# Altium PCB spd150.PcbDoc (part 8 of 16)
Units mm, origin at the board's own origin, x right, y up, seen from the top; angles counter-clockwise.
Board outline 217.35 x 147.5 mm, 10 copper layers (TOP, LYR2-PLN, LYR3-SIG, LYR4-SIG, LYR5-PLN, LYR6-PLN, LYR7-SIG, LYR8-SIG, LYR9-PLN, BOTTOM), stack 2.134 mm thick; 1065 components, 972 nets, 4226 pads, 2810 vias.
Unrouted connection lines stored in the file: 16.
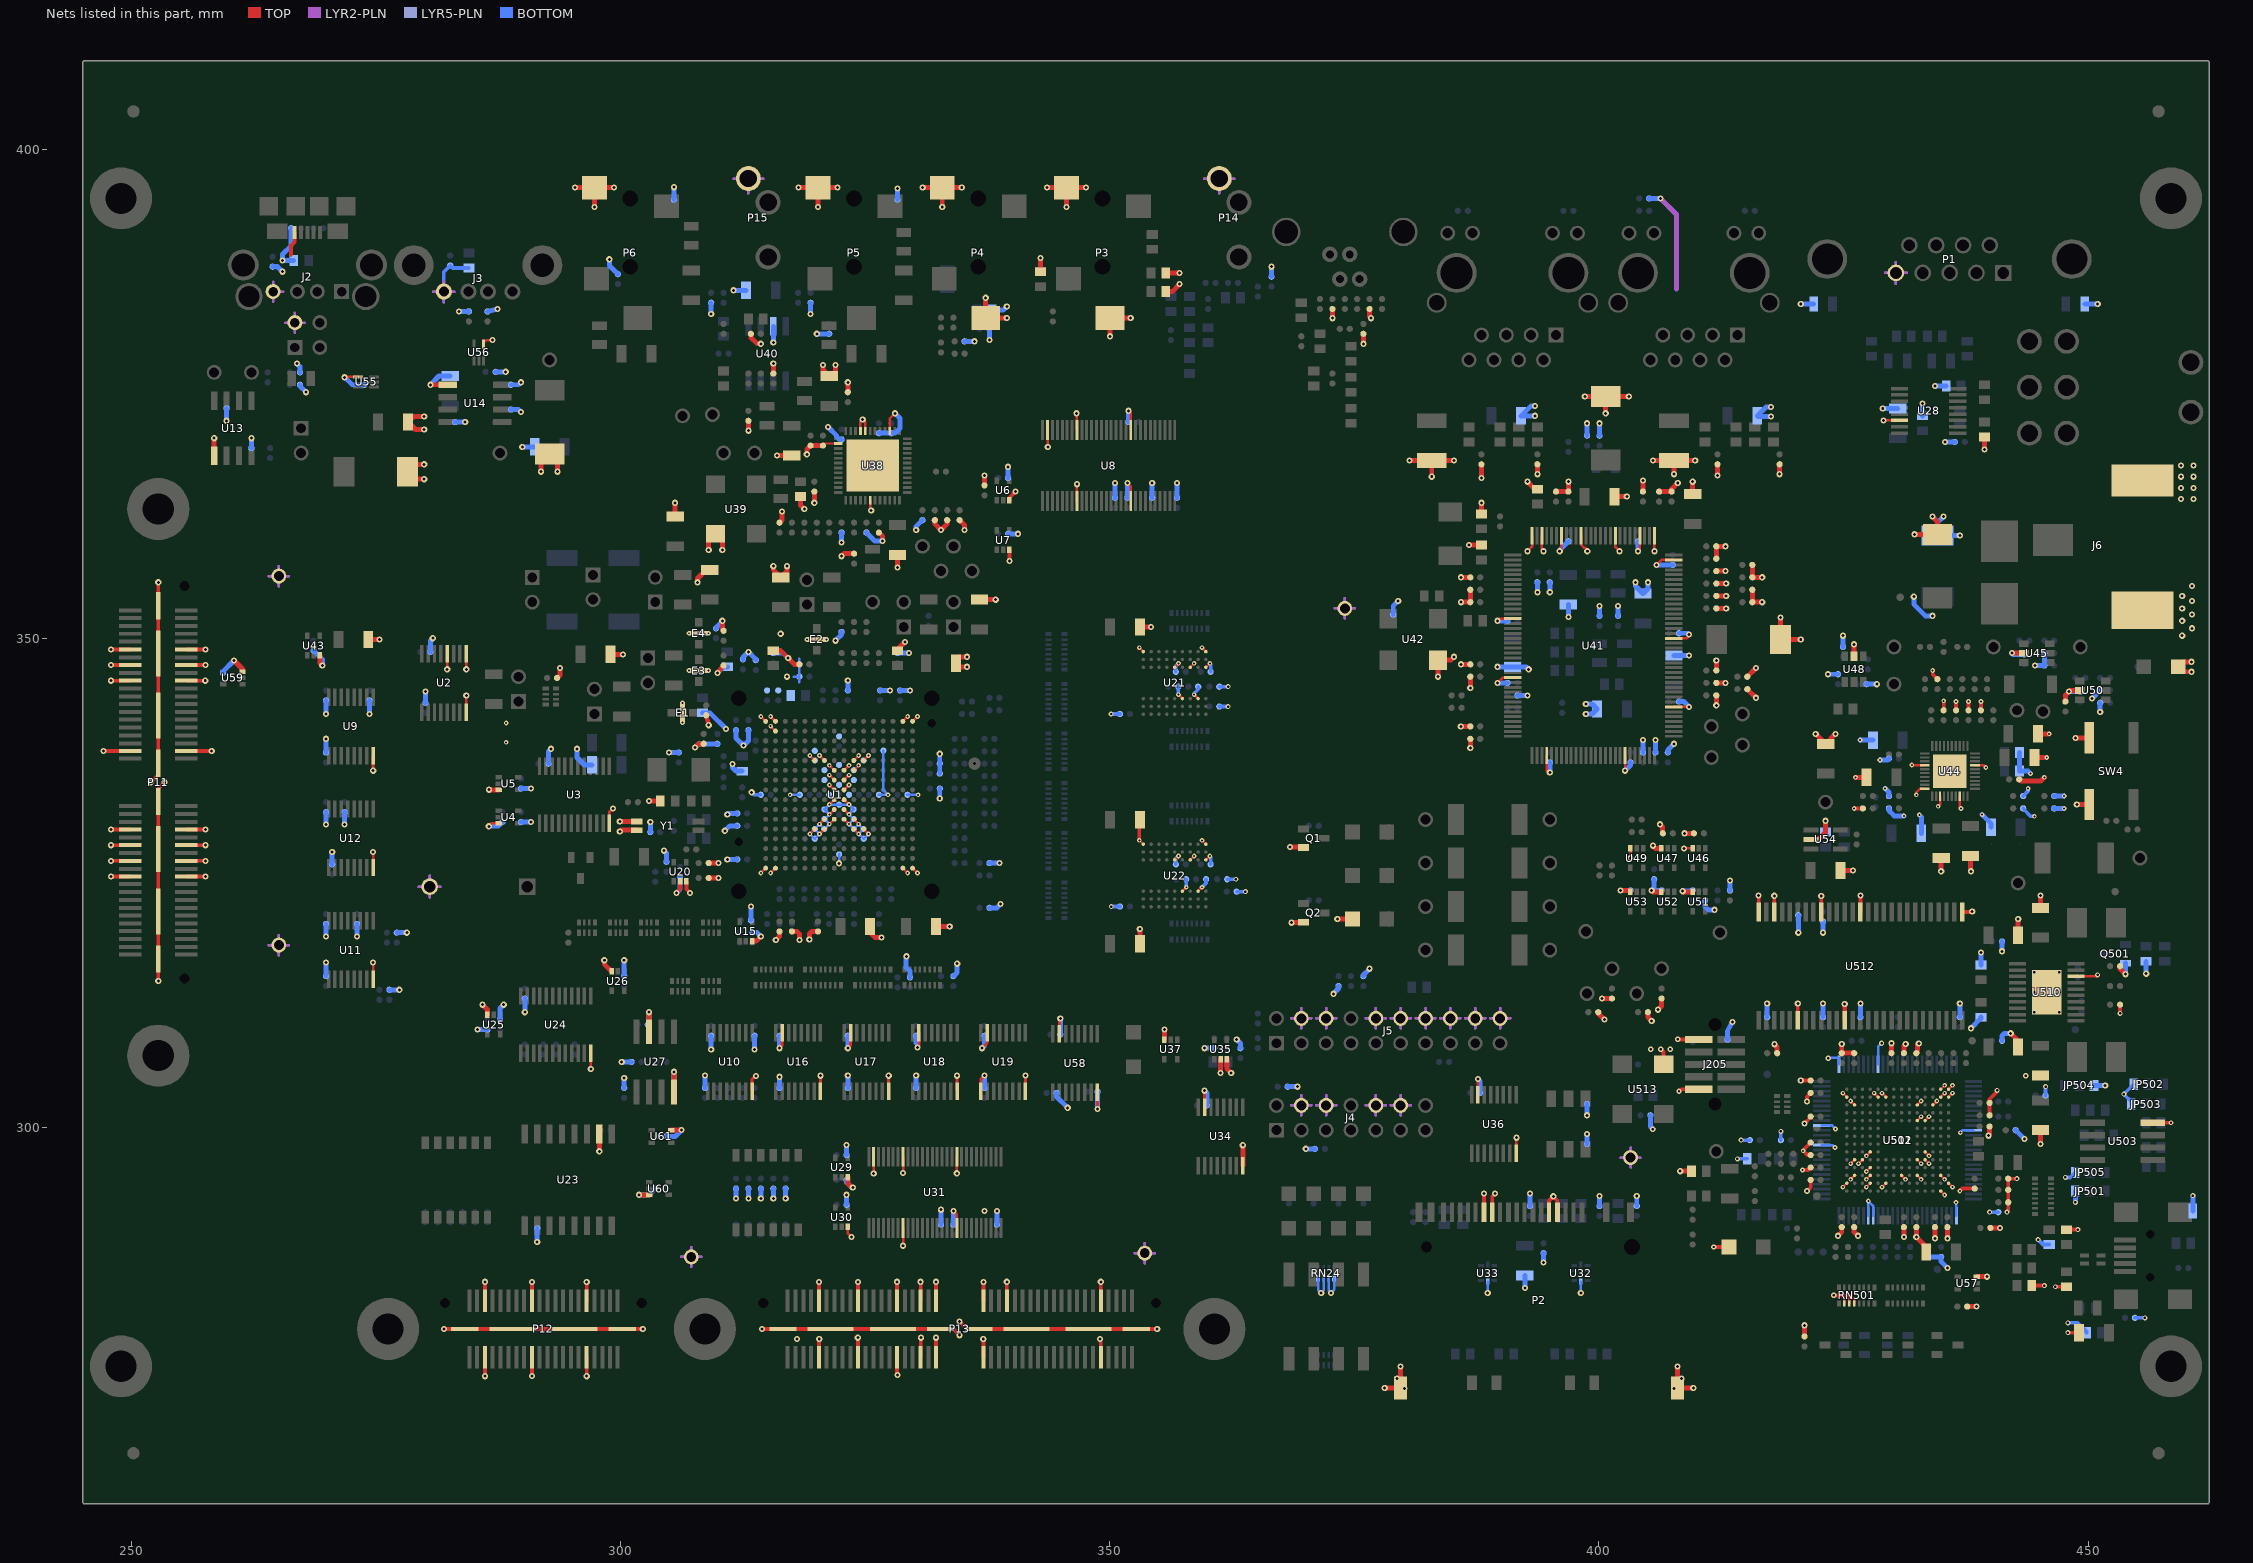
[diagram p16: the nets of this part, all layers, seen from the top]

## Via types
v1: diameter 0.635, hole 0.305, TOP to BOTTOM, 2018 vias
v2: diameter 0.483, hole 0.203, TOP to BOTTOM, 651 vias
v3: diameter 0.508, hole 0.254, TOP to BOTTOM, 120 vias
v4: diameter 0.559, hole 0.254, TOP to BOTTOM, 21 vias

## Nets (pads, with @x,y where several pads share a name; then routed paths per layer and width w, separated by ;. In a path a pad name is that pad's centre, name@x,y a point inside that pad or via, vN(x,y) a via of type N, cw(c..) or ccw(c..) an arc to the next point about the centre after c; other vN are vias at no path point) (continued)
GND: C1.2 C2.2 C3.2 C4.2 C5.2 C6.2 C7.2 C8.2 C9.2 C10.2 C11.2 C12.2 C13.2 C14.2 C15.2 C16.2 C17.2 C18.2 C19.2 C20.2 C21.2 C22.2 C23.2 C24.2 C25.2 C26.2 C27.2 C28.2 C29.2 C30.2 C31.2 C32.2 C33.2 C34.2 C35.2 C36.2 C37.2 C38.2 C39.2 C40.2 C41.2 C42.2 C43.2 C44.2 C45.2 C50.2 C51.2 C52.2 C53.2 C54.2 C55.2 C57.2 C58.2 C59.1 C60.1 C61.1 C62.1 C63.1 C64.1 C65.1 C66.1 C67.1 C68.1 C69.2 C70.2 C71.2 C72.2 C73.1 C74.1 C75.1 C76.1 C77.1 C78.1 C79.1 C80.1 C81.1 C82.1 C83.1 C84.1 C85.1 C86.1 C87.1 C88.1 C89.1 C90.1 C91.1 C92.1 C93.1 C94.1 C95.1 C96.1 C97.1 C98.1 C99.1 C100.2 C101.2 C102.2 C103.2 C104.2 C105.2 C106.2 C107.2 C108.2 C109.2 C110.2 C111.2 C112.2 C113.2 C114.2 C115.2 C116.2 C117.2 C118.2 C119.2 C120.2 C121.2 C122.2 C123.2 C124.2 C125.2 C126.1 C127.2 C128.2 C135.2 C136.2 C137.2 C138.2 C139.2 C140.2 C141.2 C142.1 C143.2 C144.2 C145.2 C146.2 C147.2 C148.2 C149.2 C150.2 C151.2 C152.2 C153.2 C154.2 C155.2 C156.2 C157.2 C159.2 C160.2 C161.2 C162.2 C163.2 C164.2 C165.2 C167.2 C171.2 C172.2 C175.2 C183.2 C184.1 C187.2 C188.2 C189.1 C196.2 C197.2 C198.2 C199.1 C200.1 C201.2 C202.2 C203.2 C204.2 C205.2 C206.2 C207.2 C208.2 C209.2 C210.2 C211.2 C212.2 C213.2 C214.2 C215.2 C216.2 C217.2 C218.2 C219.2 C220.2 C221.2 C222.2 C223.2 C224.2 C225.2 C226.2 C227.2 C228.2 C229.2 C230.2 C231.2 C232.2 C233.2 C234.2 C235.2 C236.2 C237.2 C238.2 C239.2 C240.2 C241.2 C242.2 C243.2 C244.2 C245.2 C246.2 C247.2 C248.2 C249.2 C250.2 C251.2 C252.2 C253.2 C254.2 C255.2 C256.2 C257.2 C258.2 C259.2 C260.2 C262.2 C263.2 C264.2 C265.2 C266.2 C267.2 C268.2 C269.2 C270.1 C271.1 C273.2 C274.2 C275.2 C502.2 C504.2 C518.2 C524.2 C526.2 C527.2 C528.2 C529.2 C530.2 C531.2 C532.2 C534.2 C537.2 C538.2 C539.2 C540.2 C541.2 C543.2 C544.2 C545.2 C546.2 C547.2 C548.2 C549.2 C550.2 C551.2 C552.2 C553.2 C554.2 C555.2 C556.2 C557.2 C592.2 C593.2 C594.2 C595.2 C596.2 C597.2 C598.2 C599.2 C600.2 C601.2 C602.2 C603.2 C604.2 C605.2 C606.2 C607.2 CT500.2 CT502.2 CT504.2 CT505.2 CT506.2 CT507.2 D1.2 D520.2 DS7.1 DS9.1 DS501.1 E1.2 E2.2 E3.2 E4.2 J2.4A J2.4B J2.5AB J3.4 J4.4 J4.6 J4.10 J4.12 J5.4 J5.6 J5.10 J5.12 J5.14 J5.16 J5.18 J5.20 J6.SHUNT J6.SLEEVE J205.2 J205.10 JP501.3 JP502.3 JP503.3 JP504.3 JP505.3 L2.1 L5.1 L25.2 L505.2 L591.1 P1.5 P2.3 P2.6 P2.18 P2.21 P2.27 P2.28 P3.1 P3.4 P4.1 P4.4 P5.1 P6.1 P11.11 P11.12 P11.15 P11.16 P11.19 P11.20 P11.37 P11.38 P11.47 P11.48 P11.51 P11.52 P11.55 P11.56 P11.59 P11.60 P11.81 P11.82 P11.83 P11.84 P11.85 P11.86 P11.87 P11.88 P12.5 P12.6 P12.17 P12.18 P12.31 P12.32 P12.41 P12.42 P12.43 P12.44 P13.9 P13.10 P13.19 P13.20 P13.29 P13.30 P13.35 P13.36 P13.39 P13.40 P13.41 P13.42 P13.48 P13.71 P13.72 P13.81 P13.82 P13.83 P13.84 P13.85 P13.86 P13.87 P13.88 P14.1 P15.1 Q1.2 Q2.2 Q501.S R3.2 R17.2 R18.2 R19.2 R20.2 R21.1 R22.2 R23.2 R28.2 R33.1 R34.1 R36.2 R38.2 R44.2 R45.2 R46.2 R47.2 R48.2 R49.2 R50.2 R51.2 R52.2 R56.2 R58.2 R60.2 R62.1 R68.1 R71.2 R74.2 R83.2 R84.2 R85.2 R88.2 R89.2 R102.2 R105.2 R109.2 R113.2 R114.2 R120.1 R124.1 R127.2 R128.2 R129.2 R130.2 R137.2 R141.2 R142.2 R143.2 R150.1 R151.2 R152.2 R153.2 R164.2 R165.2 R166.2 R169.2 R181.2 R183.2 R185.2 R186.2 R187.2 R192.2 R193.2 R202.2 R204.2 R205.2 R206.2 R207.2 R208.2 R224.2 R232.2 R233.1 R250.1 R251.2 R252.2 R253.2 R254.2 R255.2 R256.2 R266.1 R274.2 R275.2 R276.2 R277.2 R278.2 R279.2 R280.2 R281.2 R282.2 R283.2 R284.2 R285.2 R286.2 R287.2 R288.2 R289.1 R291.2 R293.2 R298.2 R299.2 R300.2 R301.2 R302.2 R303.2 R315.2 R321.1 R324.2 R334.2 R336.2 R337.2 R341.2 R342.2 R343.2 R344.2 R348.1 R351.1 R356.1 R373.2 R380.2 R381.2 R382.2 R383.2 R384.2 R390.2 R391.1 R392.1 R393.2 R394.1 R395.1 R528.2 R535.2 R536.2 R537.2 R549.2 R552.1 R555.2 R599.2 R603.2 R612.2 RN24.1 RN24.2 RN24.3 RN24.4 RN501.2 RN501.3 RN501.4 SW4.A SW4.A1 TP41.1 TP42.1 TP43.1 TP44.1 TP45.1 TP46.1 U1.A1 U1.A2 U1.A15 U1.A16 U1.B2 U1.E6 U1.E7 U1.E10 U1.E11 U1.F8 U1.F9 U1.F10 U1.G8 U1.G9 U1.H8 U1.H9 U1.J8 U1.J9 U1.K8 U1.K9 U1.L7 U1.L8 U1.L9 U1.L10 U1.M6 U1.M7 U1.M10 U1.M11 U1.T1 U1.T2 U1.T15 U1.T16 U2.8 U2.9 U2.12 U3.12 U4.3 U5.3 U6.3 U7.3 U8.8 U8.19 U8.38 U8.49 U8.55 U9.8 U10.8 U11.8 U12.8 U13.1 U14.1 U15.3 U16.8 U16.15 U17.8 U17.15 U18.8 U18.15 U19.1 U19.8 U19.15 U20.2 U20.3 U21.A1 U21.A3 U21.B7 U21.C3 U21.D7 U21.E3 U21.J1 U22.A1 U22.A3 U22.B7 U22.C3 U22.D7 U22.E3 U22.J1 U23.10 U24.12 U25.3 U26.3 U27.4 U27.7 U28.14 U29.3 U30.3 U31.8 U31.19 U31.38 U31.49 U31.55 U32.5 U33.5 U34.8 U34.15 U35.2 U35.3 U36.8 U36.15 U37.3 U38.15 U38.20 U38.21 U38.26 U38.42 U38.49 U39.2 U40.7 U41.7 U41.21 U41.37 U41.39 U41.42 U41.47 U41.54 U41.58 U41.62 U41.64 U41.78 U41.90 U41.106 U41.122 U42.2 U43.3 U44.3 U44.8 U44.17 U44.34 U44.40 U44.41 U45.2 U46.3 U47.3 U48.2 U49.3 U50.2 U51.3 U52.3 U53.3 U54.2 U55.4 U56.4 U57.3 U58.8 U58.15 U59.3 U60.3 U61.3 U502.A2 U502.B1 U502.B9 U502.B11 U502.B14 U502.C2 U502.C5 U502.C7 U502.C11 U502.C13 U502.D11 U502.E4 U502.E5 U502.E12 U502.E13 U502.F4 U502.F11 U502.K4 U502.K5 U502.M3 U502.M5 U502.M13 U502.N1 U502.N2 U502.N9 U502.N10 U502.N14 U502.P1 U502.P2 U503.4 U510.8 U510.21 U511.1 U511.9 U511.36 U511.51 U511.68 U511.69 U511.87 U511.91 U512.6 U512.12 U512.28 U512.41 U512.46 U512.52 U512.54 U513.2 Y1.2 Y1.3 | length 1301.2
  TOP w0.254: v1(271.78,376.682) 271.813,376.715 U55.4@273.162,376.715 ; U11.8@274.691,315.148 v1(274.691,316.875) ; U12.8@274.691,326.578 v1(274.691,328.158) ; v1(282.265,346.837) U2.12@282.265,348.427 ; U2.8@284.216,342.453 v1(284.216,344.17) ; v1(284.216,346.837) U2.9@284.216,348.427 ; U56.4@285.996,380.035 285.996,380.238 286.25,380.492 v1(286.893,380.492) ; v1(286.512,330.784) 286.512,330.835 286.751,331.074 U4.3@287.553,331.074 ; v1(296.946,305.963) U24.12@296.946,307.594 ; U3.12@298.851,331.089 298.851,332.252 v1(299.212,332.613) ; v2(314.322,326.004) U1.T1@314.823,326.504 ; v2(314.322,342.016) U1.A1@314.823,341.516 ; v2(315.323,326.004) U1.T2@315.824,326.504 ; v2(315.323,341.015) U1.B2@315.824,340.515 ; v2(315.323,342.016) U1.A2@315.824,341.516 ; v2(319.326,330.007) U1.M6@319.827,330.507 ; v2(319.326,338.013) U1.E6@319.827,337.513 ; v2(320.327,330.007) U1.M7@320.827,330.507 ; v2(320.327,331.008) U1.L7@320.827,331.508 ; v2(320.327,338.013) U1.E7@320.827,337.513 ; C163.2@320.675,369.697 320.893,369.915 U38.26@322.224,369.915 ; v2(321.328,331.008) U1.L8@321.828,331.508 ; v2(321.328,332.008) U1.K8@321.828,332.509 ; v2(321.328,333.009) U1.J8@321.828,333.51 ; v2(321.328,335.011) U1.H8@321.828,334.51 ; v2(321.328,336.012) U1.G8@321.828,335.511 ; v2(321.328,337.012) U1.F8@321.828,336.512 ; U1.L9@322.829,331.508 v2(323.329,331.008) ; U1.K9@322.829,332.509 v2(323.329,332.008) ; U1.J9@322.829,333.51 v2(323.329,333.009) ; U1.H9@322.829,334.51 v2(323.329,335.011) ; U1.G9@322.829,335.511 v2(323.329,336.012) ; U1.F9@322.829,336.512 v2(323.329,337.012) ; U30.3@323.23,289.839 323.23,289.164 v1(323.596,288.798) ; U1.M10@323.83,330.507 v2(324.33,330.007) ; U1.L10@323.83,331.508 v2(324.33,331.008) ; U1.F10@323.83,336.512 v2(324.33,337.012) ; U1.E10@323.83,337.513 v2(324.33,338.013) ; U38.21@324.505,371.196 324.505,372.13 v1(324.739,372.364) 325.006,372.097 U38.20@325.006,371.196 ; U1.M11@324.83,330.507 v2(325.331,330.007) ; U1.E11@324.83,337.513 v2(325.331,338.013) ; U38.42@325.506,364.134 325.506,363.169 v1(325.608,363.068) ; v1(325.857,295.3) U31.55@325.857,297.002 ; U38.15@327.505,371.196 327.505,372.463 v1(328.041,372.999) ; U1.T15@328.833,326.504 v2(329.334,326.004) ; U1.A15@328.833,341.516 v2(329.334,342.016) ; v1(328.856,287.909) U31.8@328.856,289.738 ; v1(328.856,295.349) U31.49@328.856,297.002 ; U1.T16@329.834,326.504 v2(330.335,326.004) ; U1.A16@329.834,341.516 v2(330.335,342.016) ; v1(334.01,291.465) 334.355,291.12 U31.19@334.355,289.738 ; v1(334.355,295.311) U31.38@334.355,297.002 ; U8.55@343.637,371.297 343.637,369.595 v1(343.662,369.57) ; v1(346.583,372.999) 346.636,372.946 U8.49@346.636,371.297 ; U8.8@346.636,364.033 v1(346.636,365.76) ; v1(351.79,365.887) 352.135,365.542 U8.19@352.135,364.033 ; v1(351.917,373.253) 352.135,373.035 U8.38@352.135,371.297 ; v2(353.017,329.357) U22.J1@353.418,328.955 ; v2(353.017,349.042) U21.J1@353.418,348.64 ; U22.E3@356.619,327.355 v2(357.017,327.757) ; U21.E3@356.619,347.04 v2(357.017,347.442) ; v2(357.017,344.241) U21.D7@357.419,343.84 ; U22.D7@357.419,324.155 v2(357.817,324.556) ; U22.C3@358.219,327.355 v2(358.618,327.757) ; U21.C3@358.219,347.04 v2(358.618,347.442) ; v2(358.618,344.241) U21.B7@359.019,343.84 ; U22.B7@359.019,324.155 v2(359.418,324.556) ; v2(359.418,329.357) U22.A1@359.819,328.955 ; v2(359.418,349.042) U21.A1@359.819,348.64 ; U22.A3@359.819,327.355 v2(360.218,327.757) ; U21.A3@359.819,347.04 v2(360.218,347.442) ; U36.15@387.629,303.342 v1(387.629,304.952) ; v1(389.636,345.44) 390.192,345.996 U41.90@391.185,345.996 ; v1(389.636,351.79) 389.849,352.003 U41.78@391.185,352.003 ; U36.8@391.531,297.368 391.531,298.933 v1(391.556,298.958) ; v1(392.684,358.902) 393.159,359.377 U41.64@393.159,360.477 ; U41.62@394.16,360.477 394.16,359.077 v1(394.335,358.902) ; U41.106@394.66,338.023 394.66,336.479 394.843,336.296 v1(394.97,336.296) ; v1(395.986,358.902) 396.161,359.077 U41.58@396.161,360.477 ; U41.54@398.163,360.477 398.163,359.57 398.45,359.283 398.551,359.283 398.805,359.029 v1(398.805,358.902) ; U41.47@401.668,360.477 401.668,359.316 v1(402.082,358.902) ; v1(402.669,336.471) U41.122@402.669,338.023 ; U49.3@403.21,328.524 403.225,328.508 v1(403.225,327.533) ; v1(403.987,358.902) 404.17,359.085 U41.42@404.17,360.477 ; v1(405.671,358.902) U41.39@405.671,360.477 ; v1(405.892,357.505) 406.395,358.008 U41.37@407.645,358.008 ; U41.7@407.645,342.994 v1(409.194,342.994) ; U41.21@407.645,350.002 408.93,350.002 409.321,350.393 v1(409.194,350.393) ; v1(408.686,328.524) U46.3@409.56,328.524 ; v2(424.927,293.901) U502.B14@425.328,294.302 ; v2(424.927,303.505) U502.N14@425.328,303.106 ; RN501.2@425.094,282.016 425.094,282.829 ; RN501.3@425.592,282.016 425.592,282.829 425.704,282.829 426.09,282.443 RN501.4@426.09,282.016 ; v2(425.727,294.701) U502.C13@426.128,295.102 ; v2(425.727,296.301) U502.E13@426.128,296.702 ; v2(425.727,302.704) U502.M13@426.128,302.306 ; v2(426.527,296.301) U502.E12@426.928,296.702 ; v2(427.327,293.901) U502.B11@427.728,294.302 ; v2(427.327,294.701) U502.C11@427.728,295.102 ; v2(427.327,295.501) U502.D11@427.728,295.902 ; v2(427.327,297.101) U502.F11@427.728,297.503 ; v2(428.127,303.505) U502.N10@428.528,303.106 ; v2(428.927,293.901) U502.B9@429.329,294.302 ; v2(428.927,303.505) U502.N9@429.329,303.106 ; v1(429.092,372.278) U28.14@430.718,372.278 ; U502.C7@430.931,295.102 v2(431.33,294.701) ; v2(431.978,337.058) 432.013,337.022 U44.34@433.299,337.022 ; v2(432.435,334.01) 432.435,334.264 432.796,334.625 U44.40@433.299,334.625 ; U502.C5@432.532,295.102 v2(432.93,294.701) ; U502.E5@432.532,296.702 v2(432.93,296.301) ; U502.K5@432.532,300.706 v2(432.93,301.104) ; U502.M5@432.532,302.306 v2(432.93,302.704) ; U502.E4@433.332,296.702 v2(433.73,296.301) ; U502.F4@433.332,297.503 v2(433.73,297.101) ; U502.K4@433.332,300.706 v2(433.73,301.104) ; U502.M3@434.132,302.306 v2(434.53,302.704) ; v2(434.665,332.821) 434.863,333.019 U44.3@434.863,333.858 ; U502.A2@434.932,293.502 v2(435.331,293.101) ; U502.C2@434.932,295.102 v2(435.331,294.703) ; U502.N2@434.932,303.106 v2(435.331,303.505) ; U502.P2@434.932,303.906 v2(435.331,304.305) ; U502.B1@435.732,294.302 v2(436.131,293.901) ; U502.N1@435.732,303.106 v2(436.131,303.505) ; U502.P1@435.732,303.906 v2(436.131,304.305) ; U44.8@436.865,333.858 436.865,332.755 v2(437.007,332.613) ; U44.17@438.429,337.022 439.329,337.022 v2(439.547,336.804) ; U510.8@448.757,315.443 450.825,315.443 v3(450.977,315.595)
  TOP w0.305: U9.8@274.691,338.008 274.691,336.56 274.701,336.55 v1(274.701,336.474) ; U10.8@313.426,303.718 313.426,304.927 313.756,305.257 v1(313.817,305.257) ; v1(316.23,308.102) 316.509,308.381 U16.15@316.509,309.692 ; U16.8@320.411,303.718 v1(320.411,305.298) ; v1(323.215,308.102) 323.494,308.381 U17.15@323.494,309.692 ; U17.8@327.396,303.718 v1(327.396,305.298) ; v1(330.327,308.178) 330.479,308.331 U18.15@330.479,309.692 ; U18.8@334.381,303.718 v1(334.381,305.298) ; U19.1@336.814,303.718 336.814,304.937 v1(337.185,305.308) ; v1(336.931,308.102) 337.464,308.635 U19.15@337.464,309.692 ; U19.8@341.366,303.718 v1(341.366,305.308) ; U58.15@344.83,309.565 344.83,311.048 v1(344.932,311.15) ; v1(348.732,301.879) U58.8@348.732,303.591 ; U34.15@359.689,302.072 v1(359.689,303.759)
  TOP w0.381: v1(247.142,338.48) P11.37@249.86,338.48 ; v1(247.904,325.653) P11.59@249.86,325.653 ; v1(247.904,327.254) P11.55@249.86,327.254 ; v1(247.904,328.854) P11.51@249.86,328.854 ; v1(247.904,330.454) P11.47@249.86,330.454 ; v1(247.904,345.669) P11.19@249.86,345.669 ; v1(247.904,347.269) P11.15@249.86,347.269 ; v1(247.904,348.869) P11.11@249.86,348.869 ; v1(251.968,335.28) 252.73,336.042 P11.85@252.73,337.236 P11.86@252.73,342.113 P11.87@252.73,348.463 P11.88@252.73,353.339 v1(252.73,355.727) ; v1(252.73,314.96) P11.81@252.73,317.221 P11.82@252.73,322.097 P11.83@252.73,328.447 P11.84@252.73,333.324 252.73,334.645 v1(253.365,335.28) ; P11.60@255.6,325.653 v1(257.556,325.653) ; P11.56@255.6,327.254 v1(257.556,327.254) ; P11.52@255.6,328.854 v1(257.556,328.854) ; P11.48@255.6,330.454 v1(257.556,330.454) ; P11.38@255.6,338.48 v1(258.191,338.48) ; P11.20@255.6,345.669 v1(257.531,345.669) ; P11.16@255.6,347.269 v1(257.556,347.269) ; P11.12@255.6,348.869 v1(257.556,348.869) ; v1(281.94,279.4) P12.44@284.048,279.4 P12.43@288.925,279.4 P12.42@295.275,279.4 P12.41@300.152,279.4 v1(302.26,279.4) ; v1(286.131,274.574) P12.5@286.131,276.53 ; P12.6@286.131,282.27 v1(286.131,284.226) ; v1(290.932,274.599) P12.17@290.932,276.53 ; P12.18@290.932,282.27 v1(290.932,284.201) ; v1(296.52,274.574) P12.31@296.52,276.53 ; P12.32@296.52,282.27 v1(296.52,284.201) ; v1(305.689,323.977) 306.07,324.358 U20.2@306.07,325.145 ; U20.3@306.72,325.145 306.72,324.343 v1(307.086,323.977) ; v1(314.452,279.4) P13.88@316.586,279.4 P13.87@321.462,279.4 P13.86@327.812,279.4 P13.85@332.689,279.4 334.01,279.4 v1(334.645,278.765) ; P13.9@320.269,276.53 320.269,278.359 v1(320.294,278.384) ; P13.10@320.269,282.27 v1(320.269,284.201) ; v1(324.231,278.511) 324.256,278.486 P13.19@324.256,276.53 ; P13.20@324.256,282.27 v1(324.256,284.201) ; P13.29@328.244,276.53 328.244,274.752 v1(328.295,274.701) ; P13.30@328.244,282.27 v1(328.244,284.226) ; P13.35@330.657,276.53 330.657,278.46 v1(330.708,278.511) ; P13.36@330.657,282.27 v1(330.657,284.226) ; P13.39@332.232,276.53 v1(332.232,278.511) ; P13.40@332.232,282.27 v1(332.232,284.226) ; v1(334.645,280.162) 335.407,279.4 P13.84@336.601,279.4 P13.83@341.478,279.4 P13.82@347.828,279.4 P13.81@352.704,279.4 v1(354.838,279.4) ; v1(337.058,278.384) 337.083,278.359 P13.41@337.083,276.53 ; P13.42@337.083,282.27 v1(337.083,284.201) ; P13.48@339.471,282.27 v1(339.471,284.226) ; v1(339.74,357.901) U7.3@339.74,359.054 ; U6.3@339.74,364.134 339.74,364.378 v1(340.36,364.998) ; v1(348.996,278.384) 349.072,278.308 P13.71@349.072,276.53 ; P13.72@349.072,282.27 v1(349.072,284.226) ; v2(353.017,329.357) 353.017,331.424 C105.2@353.063,331.47 ; P2.6@388.242,291.338 v1(388.242,293.24) ; P2.18@389.092,291.338 389.092,292.953 v1(389.382,293.243) ; P2.21@394.894,291.338 394.894,292.532 v1(395.326,292.964) 395.742,292.547 P2.3@395.742,291.338 ; v4(406.298,308) 406.324,307.975 406.349,307.975 406.603,307.721 U513.2@406.603,306.451 ; v4(408.071,309.004) 410.197,309.004 J205.2@410.21,308.991 ; v4(408.178,303.708) 408.229,303.708 408.432,303.911 J205.10@410.21,303.911 ; v4(411.734,287.782) DS501.1@413.283,287.782 ; U512.54@416.319,322.021 v1(416.319,323.723) ; U512.52@417.919,322.021 v1(417.919,323.685) ; U512.6@420.319,310.947 v1(420.319,312.674) ; v1(420.624,304.8) C538.2@421.64,304.8 ; v2(420.799,295.659) 420.875,295.659 420.878,295.656 421.386,295.656 C551.2@421.64,295.91 ; v1(421.005,300.406) 421.64,301.041 C548.2@421.64,301.117 ; v1(421.259,293.497) 421.64,293.878 C545.2@421.64,294.64 ; v1(421.259,302.641) 421.259,303.149 C539.2@421.64,303.53 ; C550.2@421.64,297.18 421.31,297.18 v2(420.878,297.612) 420.878,297.688 C537.2@421.64,298.45 ; U512.46@422.719,322.021 v1(422.719,323.659) ; v4(423.977,282.829) 425.094,282.829 425.592,282.829 ; v2(426.085,332.613) R321.1@426.974,332.613 ; U512.41@426.72,322.021 v1(426.72,323.723) ; v2(434.111,346.71) 434.111,346.304 C239.2@434.594,345.821 ; C269.2@435.229,342.646 v2(435.229,343.611) ; C268.2@436.499,342.646 v2(436.499,343.535) ; v2(436.88,293.497) 437.134,293.751 C532.2@438.404,293.751 ; U512.28@437.121,322.021 438.099,322.021 v1(438.15,322.072) ; C267.2@437.769,342.646 v2(437.769,343.535) ; R342.2@439.039,342.646 v2(439.039,343.535) ; C530.2@439.928,301.244 C529.2@439.928,302.514 439.928,302.895 440.69,303.657 v3(440.69,303.784) ; v3(441.706,291.338) 441.833,291.465 C543.2@441.833,292.354 C528.2@441.833,293.624 C534.2@441.833,294.767 v3(442.722,294.767) ; C504.2@444.246,283.845 v3(445.516,283.845) ; v3(446.659,283.718) R536.2@447.802,283.718 ; R537.2@447.802,289.56 v3(448.945,289.56) ; v3(447.929,279.019) D520.2@449.072,279.019 ; v3(453.263,311.658) C555.2@453.263,312.547 ; U503.4@456.603,300.482 v3(458.47,300.482)
  TOP w0.406: 266.319,389.255 266.319,390.169 266.675,390.525 J2.5AB@266.675,391.477
  TOP w0.508: U13.1@258.445,368.681 v1(258.445,370.459) ; v1(260.477,347.726) 261.341,346.862 U59.3@261.341,346.598 ; U43.3@269.255,348.259 269.255,347.457 v1(269.494,347.218) ; C104.2@274.193,349.885 v1(275.336,349.885) ; v1(279.908,366.268) 278.968,366.268 C16.2@278.206,367.03 278.968,367.792 v1(279.908,367.792) ; v1(279.908,371.348) 279.019,371.348 C14.2@278.257,372.11 278.816,372.669 v1(279.908,372.669) ; v1(280.543,375.92) U14.1@282.321,375.92 ; v1(285.877,312.547) 286.37,312.054 U25.3@286.37,311.506 ; v1(286.527,334.528) 286.553,334.503 U5.3@287.553,334.503 ; v1(291.846,367.03) 291.846,368.605 292.1,368.859 C29.2@292.735,368.859 293.299,368.859 293.553,368.605 v1(293.553,367.03) ; R3.2@293.497,345.948 293.802,346.253 v1(293.802,346.964) ; v1(295.313,396.075) P6.1@297.307,396.075 ; v1(297.307,394.081) P6.1@297.307,396.075 ; v1(297.815,297.561) U23.10@297.815,299.339 ; v1(298.323,317.094) 298.323,316.697 U26.3@299.07,315.951 ; C69.2@298.958,348.361 v1(300.228,348.361) ; v1(299.301,396.075) P6.1@297.307,396.075 ; v1(299.911,330.263) 300.037,330.39 Y1.3@301.65,330.39 ; v1(299.911,331.279) Y1.2@301.65,331.279 ; v1(301.879,293.116) 302.905,293.116 U60.3@302.92,293.101 ; U27.7@302.895,309.791 v1(302.895,311.785) ; v1(302.895,333.375) C50.2@304.038,333.375 ; U61.3@305.156,299.735 v1(306.212,299.735) ; U27.4@305.435,303.619 v1(305.435,305.689) ; C103.2@305.562,362.458 v1(305.562,363.855) ; v1(307.594,338.836) 307.975,339.217 C17.2@308.483,339.217 ; v1(307.848,355.727) 307.848,356.108 308.737,356.997 C72.2@309.118,356.997 ; C31.2@308.737,342.138 v1(308.991,341.122) ; C44.2@308.991,325.501 v1(310.007,325.501) ; C45.2@308.991,327.025 v1(310.007,327.025) ; v1(308.991,359.029) 308.991,359.981 U39.2@309.69,360.68 310.388,359.981 v1(310.388,359.029) ; v1(309.88,346.456) C36.2@310.515,347.218 ; v1(310.388,351.79) 310.388,350.901 C35.2@310.515,350.774 ; v1(313.055,371.221) C165.2@313.055,372.237 ; C184.1@313.309,381.127 313.309,380.746 313.944,380.111 v1(314.325,380.111) ; U15.3@313.451,319.049 313.842,319.049 v1(314.325,319.532) ; C27.2@315.595,348.742 316.357,348.742 v1(317.119,347.98) 317.754,347.345 C21.2@318.262,347.345 ; v1(315.595,357.378) 315.595,356.997 C100.2@316.357,356.235 316.992,356.87 v1(316.992,357.378) ; C189.1@315.595,377.063 v1(315.595,378.079) ; v1(315.849,319.151) 316.23,319.532 R33.1@316.23,320.04 ; v1(315.976,368.681) C162.2@317.5,368.681 ; C175.2@316.23,361.823 316.484,362.077 v1(316.484,362.966) ; R34.1@317.5,320.04 318.008,320.04 318.262,319.786 v1(318.262,319.151) ; v1(318.173,396.075) P5.1@320.167,396.075 ; C160.2@318.389,364.49 318.389,363.601 v1(318.77,363.22) ; v1(319.024,368.808) 319.024,369.316 C164.2@319.405,369.697 C163.2@320.675,369.697 ; v1(319.278,319.202) 319.278,319.786 319.532,320.04 R28.2@320.167,320.04 ; v1(319.786,363.855) C159.2@319.786,364.998 ; v1(320.167,394.081) P5.1@320.167,396.075 ; v1(320.675,377.952) 320.675,377.444 C155.2@321.31,376.809 321.437,376.809 321.945,377.317 v1(321.945,377.952) ; v1(322.161,396.075) P5.1@320.167,396.075 ; v1(322.58,358.394) 322.834,358.648 C151.2@323.85,358.648 ; C157.2@323.215,375.158 v1(323.215,376.174) ; U29.3@323.23,294.919 323.23,294.244 323.596,293.878 v1(323.723,293.878) ; C70.2@325.501,320.548 325.501,319.913 326.009,319.405 v1(326.644,319.405) ; C152.2@326.39,360.807 326.771,360.426 v1(326.771,359.943) ; C52.2@328.295,348.742 328.295,348.869 v1(329.057,349.631) ; v1(328.295,357.251) C150.2@328.295,358.521 ; v1(330.873,396.075) P4.1@332.867,396.075 ; R206.2@332.105,362.077 332.105,361.696 v1(332.74,361.061) 333.375,361.696 R205.2@333.375,362.077 ; C102.2@332.232,320.548 v1(333.629,320.548) ; v1(332.867,394.081) P4.1@332.867,396.075 ; R204.2@334.645,362.077 335.153,361.569 v1(335.153,361.061) ; v1(334.861,396.075) P4.1@332.867,396.075 ; v1(335.407,347.091) 334.518,347.091 334.264,347.345 C71.2@334.264,347.472 334.264,347.853 334.518,348.107 v1(335.407,348.107) ; C101.2@336.677,353.949 v1(338.328,353.949) ; R20.2@337.185,365.633 v1(337.185,366.649) ; v1(337.312,384.81) P4.4@337.312,382.74 v1(339.471,382.74) ; R181.2@342.9,387.477 v1(342.9,388.874) ; v1(343.573,396.075) P3.1@345.567,396.075 ; v1(345.567,394.081) P3.1@345.567,396.075 ; v1(347.561,396.075) P3.1@345.567,396.075 ; v1(350.012,380.873) P3.4@350.012,382.74 v1(352.133,382.74) ; C115.2@353.063,318.77 v1(353.063,320.294) ; C114.2@353.063,351.155 v1(354.206,351.155) ; U37.3@355.585,308.966 v1(355.585,310.022) ; C167.2@355.727,385.445 356.362,385.445 v1(357.124,386.207) ; R183.2@355.727,387.35 v1(357.124,387.35) ; v1(361.315,305.562) U35.2@361.315,306.984 ; U35.3@361.965,306.984 361.965,306.004 v1(362.407,305.562) ; U34.8@363.591,296.098 v1(363.591,298.186) ; v1(368.427,328.676) 369.697,328.676 Q1.2@369.773,328.6 ; v1(368.554,320.929) 369.722,320.929 Q2.2@369.773,320.98 ; v1(372.745,382.727) C196.2@372.745,383.667 ; v1(373.253,321.31) DS9.1@374.802,321.31 ; v1(375.92,380.111) R232.2@375.92,381.127 ; C197.2@376.555,383.667 376.555,382.88 v1(376.707,382.727) ; v1(378.092,273.373) P2.28@379.717,273.373 v1(379.717,275.577) ; v1(380.619,368.173) C226.2@382.905,368.173 ; v1(382.905,366.522) C226.2@382.905,368.173 ; v1(383.54,346.075) U42.2@383.54,347.777 384.861,347.777 v1(385.191,348.107) ; v1(385.191,368.173) C226.2@382.905,368.173 ; v1(385.877,340.995) R283.2@386.842,340.995 ; v1(385.902,347.345) R285.2@386.842,347.345 ; v1(385.902,353.695) R250.1@386.842,353.695 R255.2@386.842,354.965 ; v1(385.902,356.235) R289.1@386.842,356.235 ; v1(386.715,359.537) C199.1@387.985,359.537 ; v1(386.842,338.785) R284.2@386.842,339.725 ; v1(386.842,344.932) R286.2@386.842,346.075 ; C200.1@387.985,362.712 v1(387.985,363.855) ; v1(387.985,366.395) C232.2@387.985,367.792 ; v1(392.684,366.014) 393.446,365.252 R266.1@393.7,365.252 ; v1(393.7,366.776) C229.2@393.7,367.792 ; R298.2@395.605,364.998 R299.2@396.875,364.998 v1(396.875,366.014) ; v1(398.551,374.726) C214.2@400.685,374.726 ; R381.2@399.923,311.785 399.923,311.658 v1(400.558,311.023) ; v1(400.304,313.182) R383.2@401.32,313.182 ; v1(400.685,372.999) C214.2@400.685,374.726 ; C220.2@401.574,364.49 v1(402.844,364.49) ; v1(402.209,324.231) 403.057,324.231 U53.3@403.21,324.079 ; v1(403.047,374.726) C214.2@400.685,374.726 ; R274.2@404.495,364.998 v1(404.495,366.141) ; R382.2@405.003,311.785 405.003,311.277 v1(405.384,310.896) ; v1(405.384,324.231) 405.536,324.079 U52.3@406.385,324.079 ; v1(405.511,328.803) 405.79,328.524 U47.3@406.385,328.524 ; v1(405.511,368.173) C230.2@407.67,368.173 ; v1(406.019,312.039) 406.4,312.42 R380.2@406.4,313.182 ; R301.2@406.146,364.998 R300.2@407.416,364.998 407.416,365.252 v1(408.051,365.887) ; v1(406.248,330.987) 406.248,330.962 406.502,330.708 406.502,330.098 C249.2@406.527,330.073 ; v1(407.67,366.776) C230.2@407.67,368.173 ; v1(408.018,275.577) P2.27@408.018,273.373 v1(409.644,273.373) ; v1(408.305,295.529) L591.1@409.448,295.529 ; v1(408.559,324.155) 408.635,324.079 U51.3@409.56,324.079 ; v1(408.737,330.073) C247.2@409.702,330.073 ; C221.2@409.575,364.744 v1(409.575,366.014) ; v1(409.829,368.173) C230.2@407.67,368.173 ; v1(411.988,343.154) R254.2@411.988,344.17 ; R281.2@411.988,345.44 v1(412.928,345.44) ; R253.2@411.988,346.71 v1(411.988,347.726) ; R256.2@411.988,353.06 v1(413.004,353.06) ; R279.2@411.988,354.33 v1(413.004,354.33) ; R251.2@411.988,355.6 v1(413.004,355.6) ; R277.2@411.988,356.87 v1(412.928,356.87) ; R275.2@411.988,358.14 R288.2@411.988,359.41 v1(412.928,359.41) ; v1(412.115,366.649) C228.2@412.115,367.792 ; R282.2@415.163,344.805 v1(416.052,343.916) ; R280.2@415.163,346.075 v1(416.052,346.964) ; R252.2@415.671,354.965 R287.2@415.671,353.695 v1(416.687,353.695) ; R276.2@415.671,357.505 R278.2@415.671,356.235 v1(416.687,356.235) ; v1(417.932,308.508) 418.211,308.229 C595.2@418.211,307.594 ; v1(418.465,366.776) C225.2@418.465,367.792 ; v1(418.541,352.12) C203.2@418.541,349.885 v1(420.624,349.885) ; C527.2@421.005,278.638 v1(421.005,279.781) ; U54.2@421.665,329.438 422.402,329.438 423.164,330.2 v1(423.164,331.343) ; v1(422.148,340.233) C262.2@423.164,339.217 v1(424.18,340.233) ; v1(424.434,288.925) 424.815,289.306 C541.2@424.815,289.814 ; C260.2@424.688,326.263 v1(425.958,326.263) ; v1(424.815,308.534) C540.2@424.815,307.594 C553.2@426.085,307.594 ; U512.12@425.12,310.947 v1(425.12,312.623) ; U48.2@426.075,348.173 v1(426.075,349.387) ; C546.2@426.085,289.814 426.085,289.306 v1(426.466,288.925) ; v2(426.212,335.788) C234.2@427.355,335.788 ; C554.2@429.895,307.594 v1(429.895,308.61) ; v1(431.165,288.798) C597.2@431.165,289.814 ; C549.2@431.165,307.594 431.165,308.328 431.345,308.508 431.345,308.521 v1(431.348,308.524) ; v1(432.257,360.629) C259.2@434.594,360.629 434.594,361.95 v1(434.086,362.458) ; C524.2@432.435,289.814 v1(432.435,288.798) 433.451,287.782 CT502.2@433.451,287.274 ; C599.2@432.435,307.594 432.562,307.721 432.562,308.458 v1(432.689,308.585) ; v1(434.34,288.671) C596.2@434.34,289.814 ; v1(434.975,326.187) C238.2@434.975,327.533 ; v1(435.61,288.671) C547.2@435.61,289.814 ; C25.2@437.642,281.686 v1(438.582,281.686) ; C240.2@437.972,327.762 437.972,326.238 v1(438.023,326.187) ; U57.3@438.633,284.749 v1(439.659,284.749) ; v1(439.42,369.316) C136.2@439.42,370.586 ; v1(439.826,299.161) 439.826,299.237 439.928,299.339 C598.2@439.928,300.101 ; C552.2@440.004,289.738 v1(440.995,289.738) ; v1(442.087,309.626) 442.849,308.864 CT506.2@442.849,308.229 ; v1(442.214,348.488) U45.2@443.433,348.488 ; CT500.2@442.849,319.659 v1(442.849,321.31) ; R343.2@442.951,335.585 443.128,335.407 445.135,335.407 v2(445.516,335.788) ; C244.2@444.5,337.82 v2(445.77,337.82) ; C242.2@444.881,340.233 v2(446.024,340.233) ; v1(445.135,298.323) CT504.2@445.135,299.72 ; CT507.2@445.135,322.453 v1(445.135,323.723) ; R334.2@447.675,343.535 447.675,344.195 v1(448.031,344.551) 448.158,344.678 U50.2@449.148,344.678 ; v1(448.716,339.827) SW4.A1@450.113,339.827 ; v1(448.843,333.019) SW4.A@450.113,333.019 ; C557.2@453.263,316.484 453.263,316.23 v1(453.822,315.671) ; v1(460.578,346.583) 459.715,346.583 DS7.1@459.207,347.091 459.715,347.599 v1(460.578,347.599)
  LYR2-PLN w0.254: 264.033,318.643 TP42.1@265.049,318.643 ; 264.033,356.362 TP41.1@265.049,356.362 ; 264.465,384.429 J2.4A@264.465,385.445 ; 264.465,386.461 J2.4A@264.465,385.445 ; 265.049,317.627 TP42.1@265.049,318.643 ; 265.049,319.659 TP42.1@265.049,318.643 ; 265.049,355.346 TP41.1@265.049,356.362 ; 265.049,357.378 TP41.1@265.049,356.362 ; 265.481,385.445 J2.4A@264.465,385.445 ; 265.684,382.27 J2.4B@266.7,382.27 ; 266.065,318.643 TP42.1@265.049,318.643 ; 266.065,356.362 TP41.1@265.049,356.362 ; 266.7,381.254 J2.4B@266.7,382.27 ; 266.7,383.286 J2.4B@266.7,382.27 ; 267.716,382.27 J2.4B@266.7,382.27 ; 279.362,324.612 C607.2@280.467,324.612 ; 280.467,323.507 C607.2@280.467,324.612 ; 280.467,325.717 C607.2@280.467,324.612 ; 280.845,385.445 J3.4@281.925,385.445 ; 281.572,324.612 C607.2@280.467,324.612 ; 281.925,384.365 J3.4@281.925,385.445 ; 281.925,386.524 J3.4@281.925,385.445 ; 283.004,385.445 J3.4@281.925,385.445 ; 306.197,286.766 TP43.1@307.213,286.766 ; 307.213,285.75 TP43.1@307.213,286.766 ; 307.213,287.782 TP43.1@307.213,286.766 ; 308.229,286.766 TP43.1@307.213,286.766 ; 311.531,397.002 P15.1@313.055,397.002 ; 313.055,395.478 P15.1@313.055,397.002 ; 314.579,397.002 P15.1@313.055,397.002 ; 352.552,287.147 TP44.1@353.568,287.147 ; 353.568,286.131 TP44.1@353.568,287.147 ; 353.568,288.163 TP44.1@353.568,287.147 ; 354.584,287.147 TP44.1@353.568,287.147 ; 359.664,397.002 P14.1@361.188,397.002 ; 361.188,395.478 P14.1@361.188,397.002 ; 362.712,397.002 P14.1@361.188,397.002 ; 368.554,302.26 J4.4@369.57,302.26 ; 368.554,311.15 J5.4@369.57,311.15 ; 369.57,301.244 J4.4@369.57,302.26 ; 369.57,303.276 J4.4@369.57,302.26 ; 369.57,310.134 J5.4@369.57,311.15 ; 369.57,312.166 J5.4@369.57,311.15 ; 370.586,302.26 J4.4@369.57,302.26 ; 370.586,311.15 J5.4@369.57,311.15 ; 371.094,302.26 J4.6@372.11,302.26 ; 371.094,311.15 J5.6@372.11,311.15 ; 372.11,301.244 J4.6@372.11,302.26 ; 372.11,303.276 J4.6@372.11,302.26 ; 372.11,310.134 J5.6@372.11,311.15 ; 372.11,312.166 J5.6@372.11,311.15 ; 372.999,353.06 TP46.1@374.015,353.06 ; 373.126,302.26 J4.6@372.11,302.26 ; 373.126,311.15 J5.6@372.11,311.15 ; 374.015,352.044 TP46.1@374.015,353.06 ; 374.015,354.076 TP46.1@374.015,353.06 ; 375.031,353.06 TP46.1@374.015,353.06 ; 376.174,302.26 J4.10@377.19,302.26 ; 376.174,311.15 J5.10@377.19,311.15 ; 377.19,301.244 J4.10@377.19,302.26 ; 377.19,303.276 J4.10@377.19,302.26 ; 377.19,310.134 J5.10@377.19,311.15 ; 377.19,312.166 J5.10@377.19,311.15 ; 378.206,302.26 J4.10@377.19,302.26 ; 378.206,311.15 J5.10@377.19,311.15 ; 378.714,302.26 J4.12@379.73,302.26 ; 378.714,311.15 J5.12@379.73,311.15 ; 379.73,301.244 J4.12@379.73,302.26 ; 379.73,303.276 J4.12@379.73,302.26 ; 379.73,310.134 J5.12@379.73,311.15 ; 379.73,312.166 J5.12@379.73,311.15 ; 380.746,302.26 J4.12@379.73,302.26 ; 380.746,311.15 J5.12@379.73,311.15 ; 381.254,311.15 J5.14@382.27,311.15 ; 382.27,310.134 J5.14@382.27,311.15 ; 382.27,312.166 J5.14@382.27,311.15 ; 383.286,311.15 J5.14@382.27,311.15 ; 383.794,311.15 J5.16@384.81,311.15 ; 384.81,310.134 J5.16@384.81,311.15 ; 384.81,312.166 J5.16@384.81,311.15 ; 385.826,311.15 J5.16@384.81,311.15 ; 386.334,311.15 J5.18@387.35,311.15 ; 387.35,310.134 J5.18@387.35,311.15 ; 387.35,312.166 J5.18@387.35,311.15 ; 388.366,311.15 J5.18@387.35,311.15 ; 388.874,311.15 J5.20@389.89,311.15 ; 389.89,310.134 J5.20@389.89,311.15 ; 389.89,312.166 J5.20@389.89,311.15 ; 390.906,311.15 J5.20@389.89,311.15 ; 402.209,296.926 TP45.1@403.225,296.926 ; 403.225,295.91 TP45.1@403.225,296.926 ; 403.225,297.942 TP45.1@403.225,296.926 ; 404.241,296.926 TP45.1@403.225,296.926 ; 429.247,387.35 P1.5@430.352,387.35 ; 430.352,386.245 P1.5@430.352,387.35 ; 430.352,388.455 P1.5@430.352,387.35 ; 431.457,387.35 P1.5@430.352,387.35
  LYR2-PLN w0.508: v1(406.273,394.97) 407.924,393.319 407.924,385.699
  LYR5-PLN w0.254: 264.033,318.643 TP42.1@265.049,318.643 ; 264.033,356.362 TP41.1@265.049,356.362 ; 265.049,317.627 TP42.1@265.049,318.643 ; 265.049,319.659 TP42.1@265.049,318.643 ; 265.049,355.346 TP41.1@265.049,356.362 ; 265.049,357.378 TP41.1@265.049,356.362 ; 266.065,318.643 TP42.1@265.049,318.643 ; 266.065,356.362 TP41.1@265.049,356.362 ; 279.362,324.612 C607.2@280.467,324.612 ; 280.467,323.507 C607.2@280.467,324.612 ; 280.467,325.717 C607.2@280.467,324.612 ; 280.845,385.445 J3.4@281.925,385.445 ; 281.572,324.612 C607.2@280.467,324.612 ; 281.925,384.365 J3.4@281.925,385.445 ; 281.925,386.524 J3.4@281.925,385.445 ; 283.004,385.445 J3.4@281.925,385.445 ; 306.197,286.766 TP43.1@307.213,286.766 ; 307.213,285.75 TP43.1@307.213,286.766 ; 307.213,287.782 TP43.1@307.213,286.766 ; 308.229,286.766 TP43.1@307.213,286.766 ; 311.531,397.002 P15.1@313.055,397.002 ; 313.055,395.478 P15.1@313.055,397.002 ; 314.579,397.002 P15.1@313.055,397.002 ; 352.552,287.147 TP44.1@353.568,287.147 ; 353.568,286.131 TP44.1@353.568,287.147 ; 353.568,288.163 TP44.1@353.568,287.147 ; 354.584,287.147 TP44.1@353.568,287.147 ; 359.664,397.002 P14.1@361.188,397.002 ; 361.188,395.478 P14.1@361.188,397.002 ; 362.712,397.002 P14.1@361.188,397.002 ; 368.554,302.26 J4.4@369.57,302.26 ; 368.554,311.15 J5.4@369.57,311.15 ; 369.57,301.244 J4.4@369.57,302.26 ; 369.57,303.276 J4.4@369.57,302.26 ; 369.57,310.134 J5.4@369.57,311.15 ; 369.57,312.166 J5.4@369.57,311.15 ; 370.586,302.26 J4.4@369.57,302.26 ; 370.586,311.15 J5.4@369.57,311.15 ; 371.094,302.26 J4.6@372.11,302.26 ; 371.094,311.15 J5.6@372.11,311.15 ; 372.11,301.244 J4.6@372.11,302.26 ; 372.11,303.276 J4.6@372.11,302.26 ; 372.11,310.134 J5.6@372.11,311.15 ; 372.11,312.166 J5.6@372.11,311.15 ; 372.999,353.06 TP46.1@374.015,353.06 ; 373.126,302.26 J4.6@372.11,302.26 ; 373.126,311.15 J5.6@372.11,311.15 ; 374.015,352.044 TP46.1@374.015,353.06 ; 374.015,354.076 TP46.1@374.015,353.06 ; 375.031,353.06 TP46.1@374.015,353.06 ; 376.174,302.26 J4.10@377.19,302.26 ; 376.174,311.15 J5.10@377.19,311.15 ; 377.19,301.244 J4.10@377.19,302.26 ; 377.19,303.276 J4.10@377.19,302.26 ; 377.19,310.134 J5.10@377.19,311.15 ; 377.19,312.166 J5.10@377.19,311.15 ; 378.206,302.26 J4.10@377.19,302.26 ; 378.206,311.15 J5.10@377.19,311.15 ; 378.714,302.26 J4.12@379.73,302.26 ; 378.714,311.15 J5.12@379.73,311.15 ; 379.73,301.244 J4.12@379.73,302.26 ; 379.73,303.276 J4.12@379.73,302.26 ; 379.73,310.134 J5.12@379.73,311.15 ; 379.73,312.166 J5.12@379.73,311.15 ; 380.746,302.26 J4.12@379.73,302.26 ; 380.746,311.15 J5.12@379.73,311.15 ; 381.254,311.15 J5.14@382.27,311.15 ; 382.27,310.134 J5.14@382.27,311.15 ; 382.27,312.166 J5.14@382.27,311.15 ; 383.286,311.15 J5.14@382.27,311.15 ; 383.794,311.15 J5.16@384.81,311.15 ; 384.81,310.134 J5.16@384.81,311.15 ; 384.81,312.166 J5.16@384.81,311.15 ; 385.826,311.15 J5.16@384.81,311.15 ; 386.334,311.15 J5.18@387.35,311.15 ; 387.35,310.134 J5.18@387.35,311.15 ; 387.35,312.166 J5.18@387.35,311.15 ; 388.366,311.15 J5.18@387.35,311.15 ; 388.874,311.15 J5.20@389.89,311.15 ; 389.89,310.134 J5.20@389.89,311.15 ; 389.89,312.166 J5.20@389.89,311.15 ; 390.906,311.15 J5.20@389.89,311.15 ; 402.209,296.926 TP45.1@403.225,296.926 ; 403.225,295.91 TP45.1@403.225,296.926 ; 403.225,297.942 TP45.1@403.225,296.926 ; 404.241,296.926 TP45.1@403.225,296.926 ; 429.247,387.35 P1.5@430.352,387.35 ; 430.352,386.245 P1.5@430.352,387.35 ; 430.352,388.455 P1.5@430.352,387.35 ; 431.457,387.35 P1.5@430.352,387.35
  BOTTOM w0.254: v2(317.322,334.01) C53.2@318.313,334.01 ; 317.69,346.075 C23.2@318.262,346.075 ; 317.69,347.345 C22.2@318.262,347.345 ; 318.262,345.503 C23.2@318.262,346.075 ; 318.262,346.647 C23.2@318.262,346.075 ; 318.262,346.774 C22.2@318.262,347.345 ; 318.262,347.916 C22.2@318.262,347.345 ; v1(322.326,327) C98.1@322.326,327.914 ; v2(325.331,330.007) 325.331,330.004 C87.1@324.841,329.514 324.348,330.007 v2(324.33,330.007) ; C54.2@326.39,334.01 v2(327.33,334.01) 326.847,334.493 C91.1@326.847,338.531 ; C95.1@329.311,334.01 v2(330.403,334.01) ; RN24.4@371.287,284.594 371.287,283.398 v1(371.602,283.083) 371.861,283.342 RN24.3@371.861,284.594 ; RN24.2@372.359,284.594 372.359,283.342 v1(372.618,283.083) 372.933,283.398 RN24.1@372.933,284.594 ; v1(388.62,283.083) U33.5@388.62,284.251 ; v1(398.145,283.083) U32.5@398.145,284.251 ; U511.87@422.783,298.204 423.857,298.204 v2(424.116,297.945) ; U511.91@422.783,300.205 423.822,300.205 v2(424.18,299.847) ; v4(423.418,307.086) 423.438,307.106 424.525,307.106 U511.1@424.525,306.451 ; U511.69@427.528,290.957 v2(427.528,292.481) 428.028,291.981 U511.68@428.028,290.957 ; U511.9@428.528,306.451 428.528,308.259 v4(428.879,308.61) ; v2(436.499,292.354) 436.535,292.318 U511.51@436.535,290.957 ; v2(436.931,299.466) 437.17,299.705 U511.36@438.277,299.705 ; C96.1@319.837,330.505 320.327,330.015 v2(320.327,330.007) ; C96.1@319.837,330.505 319.339,330.007 v2(319.326,330.007) 319.819,329.514 C89.1@319.837,329.514 319.837,329.517 v2(320.327,330.007) ; C96.1@319.837,330.505 319.837,330.517 v2(320.327,331.008) ; v2(320.327,330.007) 320.802,330.482 C86.1@320.802,330.505 ; v2(320.327,331.008) 320.802,330.533 C86.1@320.802,330.505 ; v2(320.327,331.008) 320.327,331.02 C62.1@320.827,331.521 ; C86.1@320.802,330.505 320.825,330.505 v2(321.328,331.008) 321.328,331.02 C62.1@320.827,331.521 ; C62.1@320.827,331.521 320.84,331.521 v2(321.328,332.008) 320.827,332.509 C65.1@320.827,332.511 320.83,332.511 v2(321.328,333.009) 321.343,332.994 C64.1@322.326,332.994 322.341,333.009 v2(323.329,333.009) 323.799,332.539 C77.1@323.799,332.511 323.329,332.041 v2(323.329,332.008) 323.337,332.008 C73.1@323.825,331.521 ; C73.1@323.825,331.521 323.329,331.025 v2(323.329,331.008) 323.832,330.505 C83.1@323.85,330.505 ; C73.1@323.825,331.521 324.33,331.015 v2(324.33,331.008) ; C83.1@323.85,330.505 323.85,330.487 v2(324.33,330.007) ; C83.1@323.85,330.505 323.85,330.528 v2(324.33,331.008) ; v2(324.33,330.007) 324.815,330.492 C80.1@324.815,330.505 324.33,330.99 v2(324.33,331.008)
  BOTTOM w0.381: J3.4@281.925,385.445 281.925,387.462 C271.1@282.575,388.112 282.829,387.858 R392.1@284.48,387.858 ; v1(313.385,334.264) 313.639,334.01 C88.1@314.325,334.01 ; v3(350.139,342.265) C120.2@351.031,342.265 ; v3(350.142,322.58) C109.2@351.031,322.58 ; C113.2@356.746,326.898 356.746,327.485 v2(357.017,327.757) ; C118.2@356.746,346.583 356.746,347.17 v2(357.017,347.442) ; C116.2@357,345.059 357,344.259 v2(357.017,344.241) ; C119.2@357.8,325.374 357.8,324.574 v2(357.817,324.556) ; v2(358.618,344.241) 358.618,344.391 359.032,344.805 C110.2@359.032,345.059 ; v2(359.418,324.556) 359.832,324.97 C108.2@359.832,325.374 ; v2(360.218,327.757) 360.302,327.673 C106.2@360.302,326.898 ; v2(360.218,347.442) 360.302,347.358 C111.2@360.302,346.583 ; C117.2@361.191,343.027 v3(362.08,343.027) ; C121.2@361.191,345.059 v3(362.08,345.059) ; C107.2@361.991,325.374 v3(362.88,325.374) ; C112.2@362.969,324.104 v3(363.858,324.104) ; v3(414.147,296.799) C518.2@415.163,296.799 ; v3(414.528,298.704) R599.2@415.417,298.704 ; C593.2@418.592,298.704 v3(418.592,299.593) ; v3(439.928,291.338) R612.2@440.817,291.338 ; R341.2@443.357,332.613 443.357,332.588 444.144,331.8 v2(444.5,331.8) ; R344.2@443.357,333.883 443.865,334.391 v2(443.865,334.645) ; v3(444.881,288.544) 445.389,288.036 C502.2@446.024,288.036 ; C544.2@445.643,303.276 v3(445.643,304.165) ; v3(447.675,294.894) 448.183,294.894 JP505.3@448.691,295.402 ; v3(447.929,280.035) 448.945,280.035 449.834,279.146 R535.2@449.834,279.019 ; JP503.3@454.406,302.387 454.406,302.641 v3(453.644,303.403) JP502.3@454.66,304.419 ; C531.2@454.787,280.543 v3(455.803,280.543)

## Text inside footprints (layer, text, board x,y; h text height)
R143: PIN_NUMBER "1" at 305.232,303.022 h0.51 r270; PIN_NUMBER "2" at 305.232,304.038 h0.51 r270; ASSEMBLY_BOTTOM "NO-POP" at 305.435,303.53 h0.64 r270; ASSEMBLY_BOTTOM "TOLERANCE" at 302.895,303.53 h0.64 r270; ASSEMBLY_BOTTOM "USERPART#" at 301.625,303.53 h0.64 r270; SYMBOL_PART_DIM "PAD 35X32 OV" at 300.66,300.406 h0.64 r270; SYMBOL_PART_DIM "C402-35X32" at 301.93,300.406 h0.64 r270; SYMBOL_PART_DIM "0" at 303.301,303.327 h0.64 r270; SYMBOL_PART_DIM "0" at 305.105,301.193 h0.64 r270
R144: PIN_NUMBER "1" at 368.097,292.227 h0.51 r270; PIN_NUMBER "2" at 368.097,293.243 h0.51 r270; ASSEMBLY_BOTTOM "330" at 368.3,292.735 h0.64 r270; ASSEMBLY_BOTTOM "TOLERANCE" at 365.76,292.735 h0.64 r270; ASSEMBLY_BOTTOM "USERPART#" at 364.49,292.735 h0.64 r270; SYMBOL_PART_DIM "PAD 35X32 OV" at 363.525,289.611 h0.64 r270; SYMBOL_PART_DIM "C402-35X32" at 364.795,289.611 h0.64 r270; SYMBOL_PART_DIM "0" at 366.166,292.532 h0.64 r270; SYMBOL_PART_DIM "0" at 367.97,290.398 h0.64 r270
R145: PIN_NUMBER "1" at 370.637,292.227 h0.51 r270; PIN_NUMBER "2" at 370.637,293.243 h0.51 r270; ASSEMBLY_BOTTOM "330" at 370.84,292.735 h0.64 r270; ASSEMBLY_BOTTOM "TOLERANCE" at 368.3,292.735 h0.64 r270; ASSEMBLY_BOTTOM "USERPART#" at 367.03,292.735 h0.64 r270; SYMBOL_PART_DIM "PAD 35X32 OV" at 366.065,289.611 h0.64 r270; SYMBOL_PART_DIM "C402-35X32" at 367.335,289.611 h0.64 r270; SYMBOL_PART_DIM "0" at 368.706,292.532 h0.64 r270; SYMBOL_PART_DIM "0" at 370.51,290.398 h0.64 r270
R146: PIN_NUMBER "1" at 373.177,292.227 h0.51 r270; PIN_NUMBER "2" at 373.177,293.243 h0.51 r270; ASSEMBLY_BOTTOM "330" at 373.38,292.735 h0.64 r270; ASSEMBLY_BOTTOM "TOLERANCE" at 370.84,292.735 h0.64 r270; ASSEMBLY_BOTTOM "USERPART#" at 369.57,292.735 h0.64 r270; SYMBOL_PART_DIM "PAD 35X32 OV" at 368.605,289.611 h0.64 r270; SYMBOL_PART_DIM "C402-35X32" at 369.875,289.611 h0.64 r270; SYMBOL_PART_DIM "0" at 371.246,292.532 h0.64 r270; SYMBOL_PART_DIM "0" at 373.05,290.398 h0.64 r270
R147: PIN_NUMBER "1" at 375.717,292.227 h0.51 r270; PIN_NUMBER "2" at 375.717,293.243 h0.51 r270; ASSEMBLY_BOTTOM "330" at 375.92,292.735 h0.64 r270; ASSEMBLY_BOTTOM "TOLERANCE" at 373.38,292.735 h0.64 r270; ASSEMBLY_BOTTOM "USERPART#" at 372.11,292.735 h0.64 r270; SYMBOL_PART_DIM "PAD 35X32 OV" at 371.145,289.611 h0.64 r270; SYMBOL_PART_DIM "C402-35X32" at 372.415,289.611 h0.64 r270; SYMBOL_PART_DIM "0" at 373.786,292.532 h0.64 r270; SYMBOL_PART_DIM "0" at 375.59,290.398 h0.64 r270
R148: PIN_NUMBER "1" at 409.372,290.576 h0.51 r90; PIN_NUMBER "2" at 409.372,291.592 h0.51 r90; ASSEMBLY_TOP "10K" at 409.575,291.084 h0.64 r90; ASSEMBLY_TOP "TOLERANCE" at 412.115,291.084 h0.64 r90; ASSEMBLY_TOP "USERPART#" at 413.385,291.084 h0.64 r90; SYMBOL_PART_DIM "PAD 35X32 OV" at 414.35,287.96 h0.64 r90; SYMBOL_PART_DIM "C402-35X32" at 413.08,287.96 h0.64 r90; SYMBOL_PART_DIM "0" at 411.709,290.881 h0.64 r90; SYMBOL_PART_DIM "0" at 409.905,288.747 h0.64 r90
R149: PIN_NUMBER "1" at 409.372,289.052 h0.51 r270; PIN_NUMBER "2" at 409.372,288.036 h0.51 r270; ASSEMBLY_TOP "10K" at 409.575,288.544 h0.64 r270; ASSEMBLY_TOP "TOLERANCE" at 407.035,288.544 h0.64 r270; ASSEMBLY_TOP "USERPART#" at 405.765,288.544 h0.64 r270; SYMBOL_PART_DIM "PAD 35X32 OV" at 404.8,291.668 h0.64 r270; SYMBOL_PART_DIM "C402-35X32" at 406.07,291.668 h0.64 r270; SYMBOL_PART_DIM "0" at 407.441,288.747 h0.64 r270; SYMBOL_PART_DIM "0" at 409.245,290.881 h0.64 r270
R150: PIN_NUMBER "2" at 437.185,370.078 h0.51 r180; PIN_NUMBER "1" at 436.169,370.078 h0.51 r180; ASSEMBLY_BOTTOM "10K" at 436.88,370.078 h0.64 r180; ASSEMBLY_BOTTOM "TOLERANCE" at 436.88,372.618 h0.64 r180; ASSEMBLY_BOTTOM "USERPART#" at 436.88,373.888 h0.64 r180; SYMBOL_PART_DIM "PAD 35X32 OV" at 433.756,374.853 h0.64 r180; SYMBOL_PART_DIM "C402-35X32" at 433.756,373.583 h0.64 r180; SYMBOL_PART_DIM "0" at 436.677,372.212 h0.64 r180; SYMBOL_PART_DIM "0" at 434.543,370.408 h0.64 r180
R151: PIN_NUMBER "1" at 321.869,294.64 h0.51 r180; PIN_NUMBER "2" at 322.885,294.64 h0.51 r180; ASSEMBLY_BOTTOM "2K" at 322.58,294.64 h0.64 r180; ASSEMBLY_BOTTOM "TOLERANCE" at 322.58,297.18 h0.64 r180; ASSEMBLY_BOTTOM "USERPART#" at 322.58,298.45 h0.64 r180; SYMBOL_PART_DIM "PAD 35X32 OV" at 319.456,299.415 h0.64 r180; SYMBOL_PART_DIM "C402-35X32" at 319.456,298.145 h0.64 r180; SYMBOL_PART_DIM "0" at 322.377,296.774 h0.64 r180; SYMBOL_PART_DIM "0" at 320.243,294.97 h0.64 r180
R152: PIN_NUMBER "1" at 347.523,303.657 h0.51 r180; PIN_NUMBER "2" at 348.539,303.657 h0.51 r180; ASSEMBLY_BOTTOM "360" at 348.234,303.657 h0.64 r180; ASSEMBLY_BOTTOM "TOLERANCE" at 348.234,306.197 h0.64 r180; ASSEMBLY_BOTTOM "USERPART#" at 348.234,307.467 h0.64 r180; SYMBOL_PART_DIM "PAD 35X32 OV" at 345.11,308.432 h0.64 r180; SYMBOL_PART_DIM "C402-35X32" at 345.11,307.162 h0.64 r180; SYMBOL_PART_DIM "0" at 348.031,305.791 h0.64 r180; SYMBOL_PART_DIM "0" at 345.897,303.987 h0.64 r180
R153: PIN_NUMBER "1" at 338.252,289.052 h0.51 r270; PIN_NUMBER "2" at 338.252,290.068 h0.51 r270; ASSEMBLY_BOTTOM "360" at 338.455,289.56 h0.64 r270; ASSEMBLY_BOTTOM "TOLERANCE" at 335.915,289.56 h0.64 r270; ASSEMBLY_BOTTOM "USERPART#" at 334.645,289.56 h0.64 r270; SYMBOL_PART_DIM "PAD 35X32 OV" at 333.68,286.436 h0.64 r270; SYMBOL_PART_DIM "C402-35X32" at 334.95,286.436 h0.64 r270; SYMBOL_PART_DIM "0" at 336.321,289.357 h0.64 r270; SYMBOL_PART_DIM "0" at 338.125,287.223 h0.64 r270